# KiCad board H.A.V.O.C. PCB V 1.0.kicad_pcb (continued)
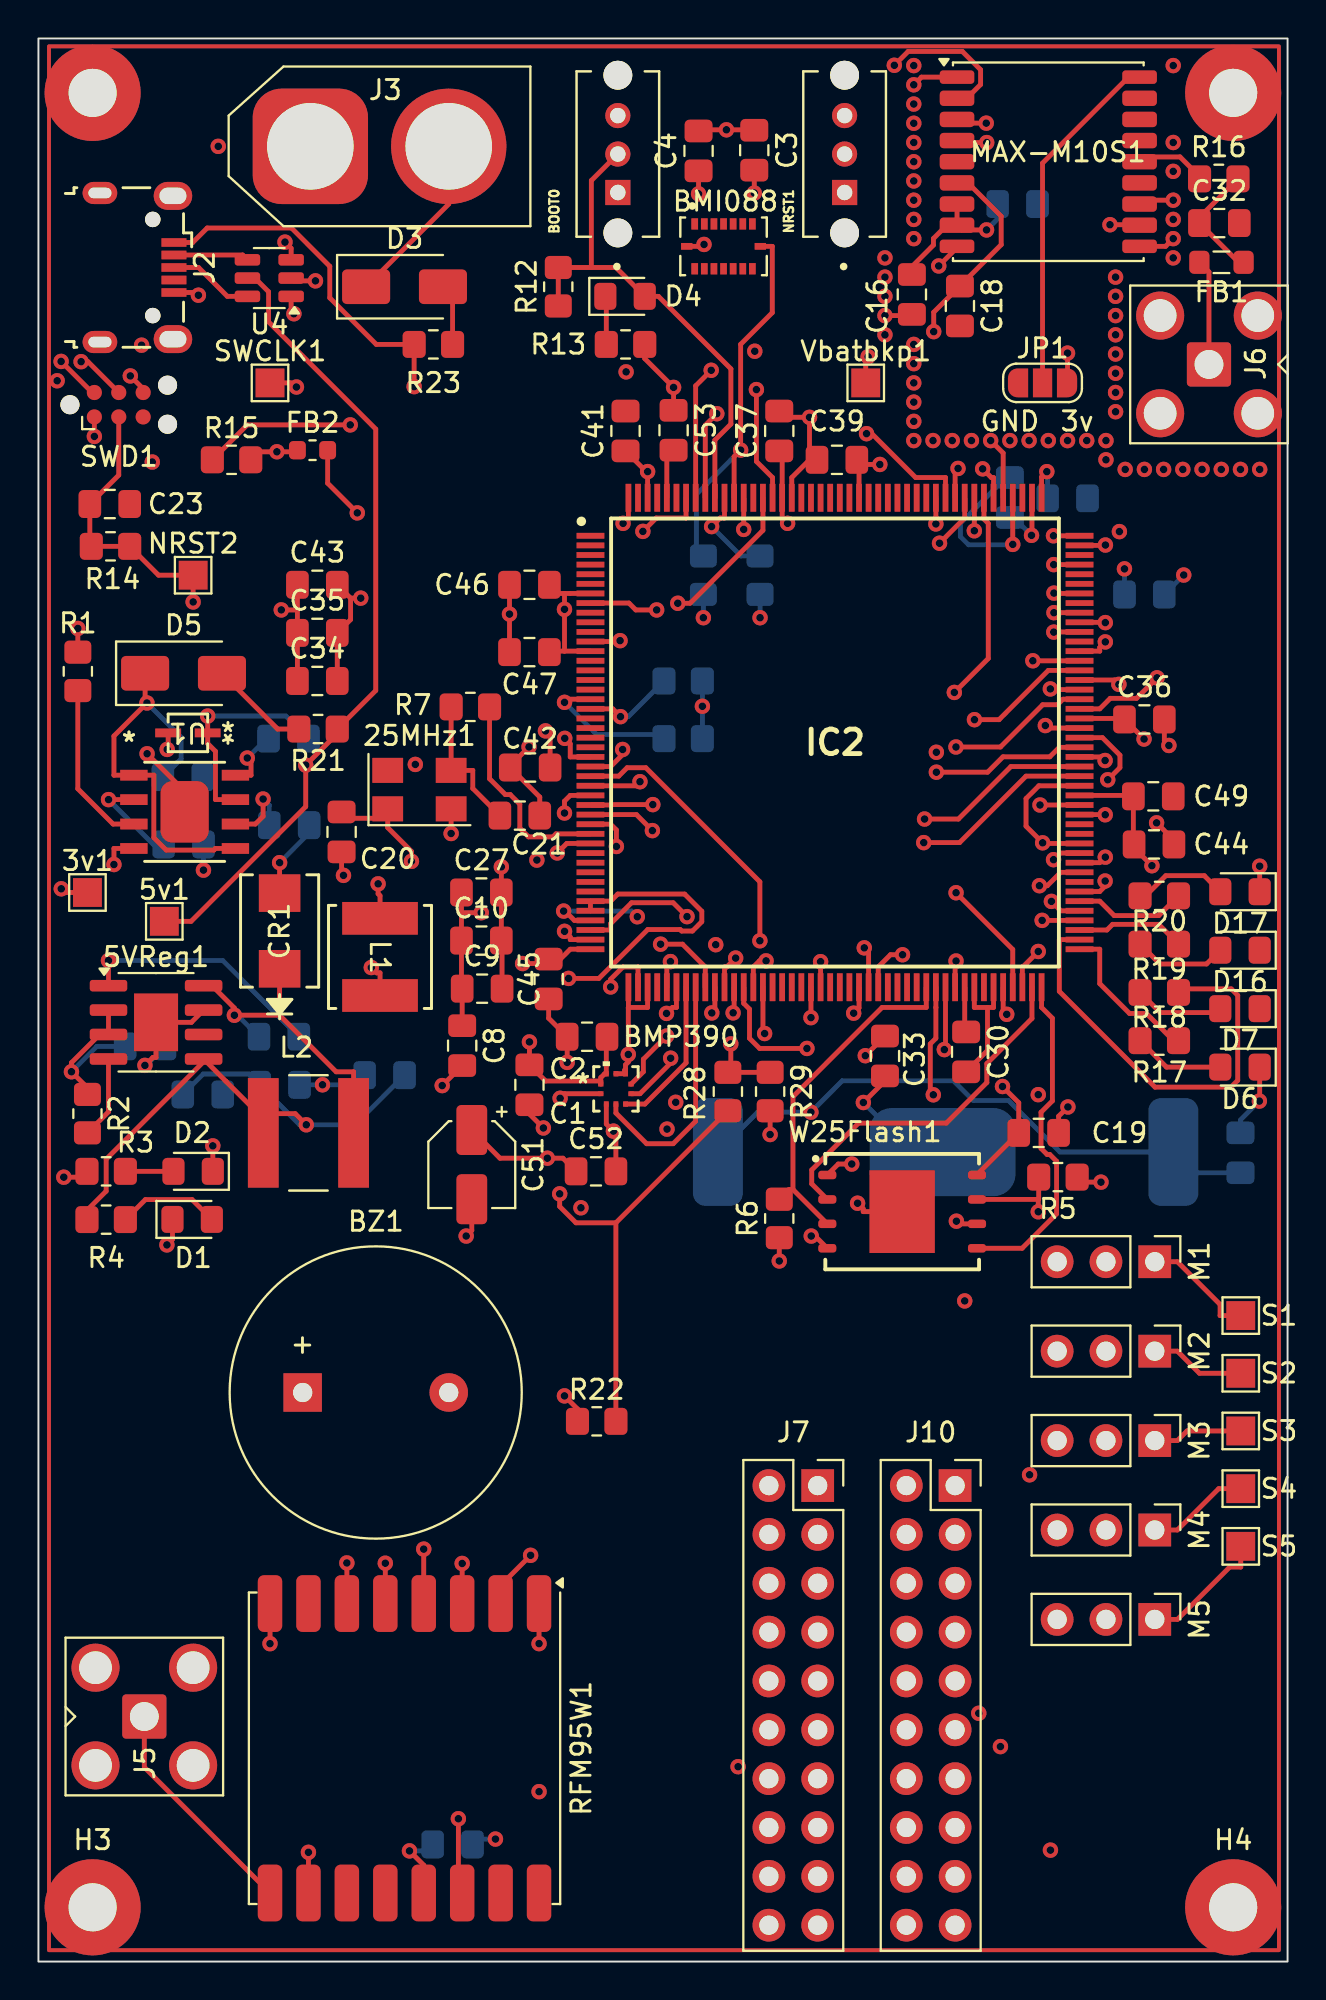
[diagram p0: board, top side]
## Footprints (pads in the part's own frame, mm; a bottom-side part is the same pattern mirrored in y, then rotated) (continued)
R_0805_2012Metric_Pad1.20x1.40mm_HandSolder
  rrect 1.2x1.4 smd: 1(-1,0) 2(1,0)
SMA_Amphenol_901-143_Horizontal
  rrect 2.3x2.3 hole 1.5: 1(0,0)
  round 2.5 hole 1.7: 2(-2.54,2.54) 2(-2.54,-2.54) 2(2.54,2.54) 2(2.54,-2.54)
SOD_16HT1G_ONS
  rect 1.346x0.457 smd: 1(-1.029,0) 2(1.029,0)
SOIC8_3P9X4P9_ONS
  rect 1.422x0.559 smd: 1(-2.642,1.905) 2(-2.642,0.635) 3(-2.642,-0.635) 4(-2.642,-1.905) 5(2.642,-1.905) 6(2.642,-0.635) 7(2.642,0.635) 8(2.642,1.905)
  rrect 2.51x3.2 smd: 4(0,0)
SOIC-8-1EP_3.9x4.9mm_P1.27mm_EP2.29x3mm
  rrect 0.92x1.21 smd: (-0.57,0.75) (-0.57,-0.75) (0.57,0.75) (0.57,-0.75)
  rrect 1.95x0.6 smd: 1(-2.475,1.905) 2(-2.475,0.635) 3(-2.475,-0.635) 4(-2.475,-1.905) 5(2.475,-1.905) 6(2.475,-0.635) 7(2.475,0.635) 8(2.475,1.905)
  rect 2.29x3 smd: 9(0,0)
SolderJumper-3_P1.3mm_Open_RoundedPad1.0x1.5mm_NumberLabels
  custom 1.05x1.5 smd: 1(-1.3,0) 3(1.3,0)
  rect 1x1.5 smd: 2(0,0)
SON127P800X600X80-9N
  rrect 0.94x0.44 smd: 1(-3.895,1.905) 2(-3.895,0.635) 3(-3.895,-0.635) 4(-3.895,-1.905) 5(3.895,-1.905) 6(3.895,-0.635) 7(3.895,0.635) 8(3.895,1.905)
  rect 3.4x4.3 smd: 9(0,0)
SOT-23-6
  rrect 1.325x0.6 smd: 1(-1.137,0.95) 2(-1.137,0) 3(-1.137,-0.95) 4(1.137,-0.95) 5(1.137,0) 6(1.137,0.95)
SW_OS102011MS2QN1
  round 1.5 hole 1.5 unplated: (-4.1,0) (4.1,0)
  rect 1.308x1.308 hole 0.8: 1(-2,0)
  round 1.308 hole 0.8: 2(0,0) 3(2,0)
Tag-Connect_TC2030-IDC-NL_2x03_P1.27mm_Vertical
  round 0.991 hole 0.991 unplated: (-2.54,0) (2.54,1.016) (2.54,-1.016)
  round 0.787 smd: 1(-1.27,-0.635) 2(-1.27,0.635) 3(0,-0.635) 4(0,0.635) 5(1.27,-0.635) 6(1.27,0.635)
TestPoint_Pad_1.5x1.5mm
  rect 1.5x1.5 smd: 1(0,0)
ublox_MAX
  rrect 1.8x0.7 smd: 1(-4.75,4.4) 9(-4.75,-4.4) 10(4.75,-4.4) 18(4.75,4.4)
  rrect 1.8x0.8 smd: 2(-4.75,3.3) 3(-4.75,2.2) 4(-4.75,1.1) 5(-4.75,0) 6(-4.75,-1.1) 7(-4.75,-2.2) 8(-4.75,-3.3) 11(4.75,-3.3) 12(4.75,-2.2) 13(4.75,-1.1) 14(4.75,0) 15(4.75,1.1) 16(4.75,2.2) 17(4.75,3.3)
USB_Micro-B_Wuerth_629105150521
  oval 0.8x0.8 hole 0.8 unplated: (-2.5,0.8) (2.5,0.8)
  rect 0.45x1.3 smd: 1(-1.3,1.9) 2(-0.65,1.9) 3(0,1.9) 4(0.65,1.9) 5(1.3,1.9)
  oval 1.15x1.8 hole 0.55x1.2: 6(-3.875,-1.95) 6(3.875,-1.95)
  oval 1.45x2 hole 0.85x1.4: 6(-3.725,1.85) 6(3.725,1.85)

## Nets
5V_OUT_USB: IC2.120 J2.1 R23.1
+3V3: 3v1.1 3v3Reg1.6 BMI088.3 BMI088.7 BMI088.10 BMI088.11 BMI088.14 BMI088.15 BMP390.1 BMP390.10 BOOT0.1 C1.2 C2.1 C3.1 C4.1 C8.1 C9.1 C10.1 C11.1 C16.1 C17.1 C19.1 C22.1 C27.1 C33.1 C34.1 C35.1 C36.1 C37.1 C38.1 C39.1 C40.1 C41.1 C42.1 C43.1 C44.1 C45.1 C46.1 C47.1 C49.1 FB2.1 IC2.7 IC2.13 IC2.25 IC2.44 IC2.65 IC2.71 IC2.84 IC2.92 IC2.99 IC2.105 IC2.113 IC2.126 IC2.136 IC2.152 IC2.160 IC2.174 IC2.176 J7.1 J7.11 JP1.3 L1.2 MAX-M10S1.7 MAX-M10S1.8 NRST1.1 R1.2 R3.1 R5.1 R6.1 R8.1 R9.1 R10.1 R11.1 R15.2 RFM95W1.13 SWD1.1 W25Flash1.8
+5V: 5v1.1 5VReg1.5 C14.1 C28.1 C31.1 J7.2 J7.12 L2.1 M1.2 M2.2 M3.2 M4.2 M5.2 R4.1 R21.1 U4.5
GND: 3v3Reg1.4 5VReg1.7 5VReg1.9 25MHz1.2 25MHz1.4 BMI088.4 BMI088.6 BMP390.3 BMP390.8 BMP390.9 BOOT0.3 BT1.2 BZ1.2 C1.1 C2.2 C3.2 C4.2 C5.2 C6.2 C8.2 C9.2 C10.2 C11.2 C12.2 C14.2 C15.2 C16.2 C17.2 C18.2 C19.2 C20.2 C21.2 C22.2 C23.2 C27.2 C28.2 C30.2 C31.2 C32.2 C33.2 C34.2 C35.2 C36.2 C37.2 C38.2 C39.2 C40.2 C41.2 C42.2 C43.2 C44.2 C45.2 C46.2 C47.2 C48.2 C49.2 C51.2 C52.2 C53.1 CR1.2 D1.1 D2.1 D6.1 D7.1 D16.1 D17.1 H1.1 H2.1 H3.1 H4.1 IC2.6 IC2.12 IC2.24 IC2.38 IC2.45 IC2.47 IC2.64 IC2.70 IC2.81 IC2.83 IC2.93 IC2.100 IC2.106 IC2.112 IC2.119 IC2.134 IC2.137 IC2.151 IC2.159 IC2.173 J2.5 J3.1 J5.2 J6.2 J7.5 J7.15 J10.5 JP1.1 M1.3 M2.3 M3.3 M4.3 M5.3 MAX-M10S1.1 MAX-M10S1.10 MAX-M10S1.12 NRST1.3 R13.2 R29.2 RFM95W1.1 RFM95W1.8 RFM95W1.10 SWD1.5 U4.2 W25Flash1.4 W25Flash1.9
VBAT: 3v3Reg1.1 3v3Reg1.5 C5.1 D3.1 D5.1 J3.2 R22.2 R28.2
VBat-backup: BT1.1 C15.1 C18.1 IC2.8 MAX-M10S1.6 Vbatbkp1.1
VDDA: C51.1 C52.1 FB2.2 IC2.39 IC2.40
/GPS_!SAFEBOOT: JP1.2 MAX-M10S1.18
/Power/BST: 3v3Reg1.7 C7.2 U1.1
/Power/DRV: 3v3Reg1.2 C6.1 U1.2
/Power/NCV_RESET: 3v3Reg1.3 R1.1
BOOT0: BOOT0.2 D4.2 IC2.167 R12.1 R12.2
BUZZER: BZ1.1 IC2.69
FLASH_!HOLD: IC2.77 R5.2 W25Flash1.7
FLASH_!WP: IC2.76 R6.2 W25Flash1.3
GP_GPIO6: IC2.49 J7.20
GP_GPIO7: IC2.54 J7.10
GP_GPIO8: IC2.55 J7.9
GP_GPIO9: IC2.56 J7.8
GP_GPIO10: IC2.57 J7.7
GP_GPIO18: IC2.97 J10.1
GP_GPIO19: IC2.98 J10.2
GP_GPIO20: IC2.104 J10.3
GP_GPIO21: IC2.107 J10.4
GP_GPIO22: IC2.108 J10.6
GP_GPIO23: IC2.109 J10.7
GP_GPIO24: IC2.110 J10.8
GP_GPIO25: IC2.111 J10.9
GP_GPIO26: IC2.114 J10.10
GP_GPIO27: IC2.115 J10.20
GP_GPIO28: IC2.116 J10.19
GP_GPIO29: IC2.117 J10.18
GP_GPIO30: IC2.118 J10.17
GP_GPIO31: IC2.123 J10.16
GP_GPIO32: IC2.124 J10.15
GP_GPIO33: IC2.129 J10.14
GP_GPIO34: IC2.161 J10.13
GP_GPIO35: IC2.168 J10.12
GP_GPIO36: IC2.170 MAX-M10S1.9 R15.1
GPS_TIMEPULSE: IC2.169 MAX-M10S1.4
HSE_IN: 25MHz1.1 C20.1 IC2.31
HSE_OUT: IC2.32 R7.1
I2C1_SCL: BMI088.8 IC2.165 R9.2
I2C1_SDA: BMI088.9 IC2.166 R8.2
I2C2_CS: IC2.59 J7.13
I2C2_SCL: IC2.19 J7.3 R10.2
I2C2_SDA: IC2.18 J7.4 R11.2
INT_ACC: BMI088.16 IC2.164
INT_GYR: BMI088.12 IC2.163
LED1: IC2.89 R17.1
LED2: IC2.90 R18.1
LED3: IC2.91 R19.1
LED4: IC2.94 R20.1
NRST: C23.1 IC2.33 NRST1.2 NRST2.1 R14.1 R14.2 SWD1.3
SERVO1: IC2.43 M1.1 S1.1
SERVO2: IC2.122 M2.1 S2.1
SERVO3: IC2.95 M3.1 S3.1
SERVO4: IC2.103 M4.1 S4.1
SERVO5: IC2.26 M5.1 S5.1
SPI1_CS: BMP390.6 IC2.53
SPI1_INT: BMP390.7 IC2.46
SPI1_MISO: BMP390.5 IC2.51
SPI1_MOSI: BMP390.4 IC2.52
SPI1_SCK: BMP390.2 IC2.50
SPI2_!CS: IC2.79 W25Flash1.1
SPI2_MISO: IC2.87 W25Flash1.2
SPI2_MOSI: IC2.88 W25Flash1.5
SPI2_SCK: IC2.78 W25Flash1.6
SPI3_CS: IC2.139 RFM95W1.5
SPI3_INT: IC2.143 RFM95W1.14
SPI3_MISO: IC2.141 RFM95W1.2
SPI3_MOSI: IC2.142 RFM95W1.3
SPI3_RST: IC2.144 RFM95W1.6
SPI3_SCK: IC2.140 RFM95W1.4
SPI5_CS: IC2.30 J7.16
SPI5_MISO: IC2.28 J7.17
SPI5_MOSI: IC2.29 J7.19
SPI5_SCK: IC2.27 J7.18
SWCLK: IC2.138 SWCLK1.1 SWD1.4
SWDIO: IC2.132 SWD1.2
SWO: IC2.162 SWD1.6
UART4_RX: IC2.42 J7.6
UART4_TX: IC2.41 J7.14
UART5_RX: IC2.85 MAX-M10S1.2
UART5_TX: IC2.86 MAX-M10S1.3
USB_D+: IC2.131 U4.1
USB_D-: IC2.130 U4.3
USB_D_Connector+: J2.3 U4.6
USB_D_Connector-: J2.2 U4.4
V_DETECT: IC2.58 R28.1 R29.1
Net-(3v3Reg1-SW): 3v3Reg1.8 C7.1 L1.1
Net-(5VReg1-BST): 5VReg1.1 C13.1
Net-(5VReg1-EN): 5VReg1.2 5VReg1.3 C12.1 R2.1 R22.1
Net-(5VReg1-PGOOD): 5VReg1.4 R2.2
Net-(5VReg1-SW): 5VReg1.8 C13.2 CR1.1 L2.2
Net-(25MHz1-Pad3): 25MHz1.3 C21.1 R7.2
Net-(C32-Pad1): C32.1 FB1.1 R16.2
Net-(D1-A): D1.2 R3.2
Net-(D2-A): D2.2 R4.2
Net-(D3-A): D3.2 R23.2
Net-(D4-K): D4.1 R13.1
Net-(D5-A): D5.2 R21.2
Net-(D6-A): D6.2 R17.2
Net-(D7-A): D7.2 R18.2
Net-(D16-A): D16.2 R19.2
Net-(D17-A): D17.2 R20.2
Net-(IC2-VCAP_1): C30.1 IC2.80
Net-(IC2-VCAP_2): C48.1 IC2.133
Net-(IC2-VCAP_3): C53.2 IC2.172
Net-(J5-In): J5.1 RFM95W1.9
Net-(J6-In): FB1.2 J6.1 MAX-M10S1.11
Net-(MAX-M10S1-VCC_RF): MAX-M10S1.14 R16.1

Pads without a net: 5VReg1 6; BMI088 1 2 5 13; IC2 1 2 3 4 5 9 10 11 14 15 16 17 20 21 22 23 34 35 36 37 48 60 61 62 63 66 67 68 72 73 74 75 82 96 101 102 121 125 127 128 135 145 146 147 148 149 150 153 154 155 156 157 158 171 175; J2 4 6; J10 11; MAX-M10S1 5 13 15 16 17; RFM95W1 7 11 12 15 16

## Via types
v1: diameter 0.8, hole 0.4, Top to Bottom, 281 vias

## Routing (per net, layer and track width the routed paths; a pad name or vN(x,y) marks a point on that pad's centre or on a via; arc(x,y) is an arc through that point)
5V_OUT_USB: length 63.6
  Top w0.25: IC2.120 55.23,68.14 55.23,68.33 v1(55.52,68.62) ; v1(19.55,81.9) R23.1 17.58,84.09 15.16,86.51 15.16,88.15 13.17,90.14 8.78,90.14 8.03,89.39 J2.1
  3v3 w0.25: v1(19.55,81.9) 27.84,73.61 32.34,73.61 34.07,75.34 35.33,75.34 35.76,74.92 35.76,74.37 37.63,72.5 48.35,72.5 52.51,68.34 55.23,68.34 v1(55.52,68.62)
+3V3: length 125
  Top w0.25: W25Flash1.8 48.84,40.92 C19.1 51.01,44.66 v1(50.17,45.5) ; 3v1.1 1.47,55.59 1.28,55.78 v1(1.19,55.78) ; IC2.44 27.67,52.64 27.16,52.13 C45.1 26.32,51.9 v1(25.19,51.9) ; C27.1 22.01,54.54 ; 22.01,54.54 v1(23.04,54.54) ; 22.01,54.54 C10.1 22.01,50.63 C9.1 22.05,48.67 ; IC2.71 43.7,51.72 44.34,52.35 v1(44.96,52.35) ; C3.1 v1(37.25,91.96) ; v1(50.39,49.26) 50.2,49.44 IC2.84 ; 42.7,77.85 42.7,77.98 C39.1 ; 42.7,77.85 v1(43.78,77.85) ; 42.7,77.85 IC2.152 ; SWD1.1 v1(2.91,79.31) ; C42.1 26.62,63.75 v1(26.38,63.99) ; RFM95W1.13 20.05,5.01 v1(19.31,5.75) ; 27.37,71.14 IC2.7 ; 27.37,71.14 27.04,71.14 C46.1 ; 27.37,71.14 v1(27.37,70.32) 27.37,68.14 ; FB2.1 13.39,78.51 v1(12.41,78.51) 11.47,78.51 R15.2 ; v1(11.69,60.45) 11.69,59.55 11.29,59.15 3v3Reg1.6 ; IC2.113 56.46,64.64 C36.1 v1(57.53,63.57) ; v1(25.55,47.82) C1.2 26.39,45.79 29.26,45.79 ; v1(57.94,56.98) 57.01,57.91 C44.1 56.98,58.13 C49.1 56.92,60.64 IC2.105 ; 27.37,68.14 IC2.13 ; 27.37,68.14 26.64,68.14 C47.1 ; BMP390.1 29.26,45.79 ; 29.26,45.79 29.26,45.96 29.46,46.16 BMP390.10 29.55,48.05 C2.1 ; C16.1 45.45,88.14 46.57,89.26 46.57,89.59 47.27,90.29 MAX-M10S1.8 ; R5.1 54.31,40.53 v1(55.29,40.53) ; v1(2.05,69.32) R1.2 ; IC2.25 29.78,62.14 30.4,62.76 v1(30.4,63.03) ; IC2.126 53.12,71.14 53.1,71.16 v1(52.84,71.16) ; v1(38.98,74.79) 38.71,75.06 38.7,75.06 IC2.160 38.7,78.4 C37.1 ; v1(30.42,74.79) 30.7,75.06 IC2.176 ; MAX-M10S1.7 MAX-M10S1.8 ; MAX-M10S1.8 48.05,90.04 v1(49.34,90.04) ; v1(52.23,54.14) IC2.92 ; R6.1 v1(38.55,36.43) ; v1(40.7,51.99) IC2.65 ; IC2.99 53.12,57.64 53.12,57.6 v1(52.82,57.3) ; v1(53.55,83.64) JP1.3 ; v1(1.32,40.79) 2.22,40.79 R3.1 ; v1(50.7,73.69) IC2.136 ; 13.48,70.28 C35.1 C34.1 ; 13.48,70.28 C43.1 ; 13.48,70.28 v1(12.64,70.28) ; IC2.174 v1(31.7,77.48) 31.63,77.48 C41.1 ; L1.2 17.77,51.41 17.6,51.41 v1(17.32,51.69) ; C4.1 v1(34.35,91.92) ; C33.1 v1(43.03,47.1)
  Bottom w0.25: R11.1 v1(34.55,65.27) R10.1 ; C11.1 12.01,60.13 v1(11.69,60.45) ; R8.1 v1(37.55,69.88) ; v1(50.7,73.69) 50.68,73.67 48.4,73.67 47.97,74.1 47.97,74.79 50.35,77.17 50.55,77.17 ; v1(19.31,5.75) 20.18,5.75 C22.1 ; v1(49.34,90.04) 49.91,90.62 C17.1 ; R9.1 v1(34.6,69.88) ; C40.1 v1(56.51,72.42)
+5V: length 188.5
  Top w0.25: R4.1 2.52,39.06 3.52,40.06 3.52,41.72 8.67,46.86 ; 11.7,44.09 11.44,44.09 9.76,45.77 8.67,46.86 ; 11.7,44.09 13.36,44.09 v1(13.94,43.51) ; 11.7,44.09 L2.1 ; 8.67,46.86 5VReg1.5 ; 10.87,87.54 11.26,87.54 11.98,86.83 11.98,85.26 17.55,79.69 17.55,66.09 R21.1 15.55,63.86 v1(13.91,62.21) 13.91,60.06 7.94,54.09 5v1.1
  3v3 w0.25: M1.2 54.37,36.39 54.37,36.02 53.56,35.21 ; 53.56,35.21 55.55,33.23 M2.2 ; 53.56,35.21 50.43,35.21 48.53,37.11 43.92,37.11 40.06,40.97 16.48,40.97 v1(13.94,43.51)
  In3.Cu w0.25: v1(13.91,62.21) 13.91,43.54 v1(13.94,43.51)
  In5.Cu w0.25: 53.56,23.62 55.55,25.6 M3.2 M2.2 ; 53.56,23.62 51.2,23.62 51.13,23.55 39.58,23.55 ; 53.56,23.62 54.37,22.81 54.37,22.44 M4.2 M5.2 ; J7.2 39.19,24.75 39.19,23.94 39.58,23.55 ; 39.58,23.55 39.19,23.15 39.19,14.04 38.38,13.23 38.01,13.23 J7.12
  Bottom w0.25: C28.1 16.47,43.51 v1(13.94,43.51) 13.59,43.51 C31.1 10.95,46.15 8.58,46.15 C14.1
GND: length 159.9
  Top w0.25: v1(38.08,43.01) R29.2 ; U4.2 13.29,87.4 v1(14.42,87.4) ; v1(9.08,42.42) D1.1 ; IC2.45 30.7,49.61 ; 30.7,49.61 30.69,49.61 v1(30.69,47.17) 30.69,46.78 30.55,46.63 30.55,46.4 ; 30.7,49.61 31.7,49.61 IC2.47 ; W25Flash1.4 40.41,37.73 v1(40.21,37.73) ; MAX-M10S1.10 58.65,89.19 v1(59.05,89.59) ; v1(21.48,58.66) 25MHz1.2 ; v1(30.27,68.69) 30.22,68.64 IC2.12 ; 6.98,38.59 6.98,37.55 v1(6.69,37.27) ; 49.39,49.61 49.7,49.61 IC2.83 ; 49.39,49.61 49.39,47.38 C30.2 ; 49.39,49.61 48.7,49.61 IC2.81 ; v1(58.83,63.24) 58.59,63.47 C36.2 ; IC2.159 39.2,77.17 40.12,78.09 ; IC2.93 53.12,54.64 53.12,54.72 v1(52.71,55.13) ; C16.2 45.39,85.59 v1(44.05,85.59) ; v1(8.32,86.65) 8.17,86.65 8.03,86.79 J2.5 ; IC2.24 27.67,62.64 27.67,63.32 v1(27.39,63.61) ; C39.2 40.12,78.09 ; 40.12,78.09 40.12,80.3 ; C21.2 26.09,60.55 C42.2 24.55,62.18 v1(25.53,63.16) ; v1(40.2,49.08) IC2.64 ; IC2.106 52.06,61.14 51.39,60.47 51.39,59.04 v1(52.26,58.17) 52.29,58.14 IC2.100 ; C47.2 24.51,70.07 v1(24.51,70.07) C46.2 ; C19.2 53.09,43.96 v1(53.57,44.44) ; v1(26.28,43.34) 25.55,44.07 C1.1 ; v1(12.55,57.14) CR1.2 ; BMP390.3 29.55,43.55 v1(29.92,43.18) 30.05,43.05 C52.2 ; C44.2 59.09,58.31 v1(58.18,59.21) ; W25Flash1.9 42.92,39 42.92,39.14 v1(42.62,39.43) ; IC2.70 43.2,52.48 v1(42.97,52.71) ; R13.2 31.55,83.36 v1(33.05,81.86) 33.05,80.67 ; v1(3.93,57.05) 3.93,57.05 3.93,57.88 3v3Reg1.4 ; C34.2 C35.2 16.24,69.78 16.24,70.9 ; C4.2 34.41,95.25 v1(35.8,95.25) 37.23,95.25 C3.2 ; v1(12.05,16.53) RFM95W1.8 ; v1(51.74,67.64) IC2.119 ; 16.24,70.9 C43.2 ; 16.24,70.9 v1(16.77,70.9) ; v1(5.54,46.6) 5.95,47.01 6.12,47.01 5VReg1.9 7.96,48.84 5VReg1.7 ; IC2.112 52.53,64.14 v1(52.4,64.27) ; IC2.134 51.7,74.19 v1(51.68,74.16) ; v1(26.05,16.53) RFM95W1.1 ; 30.55,46.4 30.5,46.35 30.5,46.16 BMP390.9 ; 30.55,46.4 BMP390.8 ; C20.2 15.77,56.58 v1(15.87,56.48) ; IC2.137 50.2,78.44 v1(49.55,79.09) ; D6.1 63.55,44.76 v1(63.53,44.74) ; v1(45.55,97.59) 45.95,97.99 MAX-M10S1.1 ; v1(27.51,46.76) 27.51,46.76 C2.2 26.55,49.05 C45.2 ; v1(5.65,62.8) 7.61,60.85 3v3Reg1.4 ; C9.2 24.12,53.05 C10.2 C27.2 v1(24.09,56.92) ; C33.2 44.05,45.79 v1(42.93,44.67) ; v1(63.55,56.96) D17.1 ; v1(14.05,5.68) RFM95W1.10 ; C37.2 38.88,80.3 40.12,80.3 ; 40.12,80.3 v1(40.12,80.3) ; v1(21.01,45.55) C8.2 ; C51.2 22.55,38.02 v1(22.26,37.73) ; v1(59.05,91.59) 57.5,91.59 MAX-M10S1.12
  Bottom w0.25: v1(51.68,74.16) 50.75,75.09 C38.2 ; v1(12.55,57.14) 14.09,58.68 C11.2 ; C22.2 22.87,6.37 v1(23.78,6.37) ; C5.2 8.55,58.13 C6.2 v1(8.59,56.75) ; C12.2 5.6,46.6 v1(5.54,46.6) ; C31.2 v1(14.78,45.59) 16.48,45.59 C28.2 ; C15.2 62.55,43.76 v1(63.53,44.74) ; v1(59.6,72.1) 59.6,72.1 C40.2 ; v1(42.93,44.67) 45.51,42.09 BT1.2
  vias: v1(0.97,82.2) v1(5.37,84.05) v1(5.92,77.98) v1(9.36,94.39) v1(19.61,62.25) v1(25.94,57.28) v1(26.05,8.83) v1(32.71,43.29) v1(44.05,88.59) v1(44.05,87.59) v1(44.05,86.59) v1(44.05,84.59) v1(45.55,98.59) v1(45.55,96.59) v1(45.55,95.59) v1(45.55,94.59) v1(45.55,93.59) v1(45.55,92.59) v1(45.55,91.59) v1(45.55,90.59) v1(45.55,89.59) v1(45.55,84.09) v1(45.55,83.09) v1(45.55,82.09) v1(45.55,81.09) v1(45.55,80.09) v1(45.55,79.09) v1(46.55,79.09) v1(47.55,79.09) v1(48.55,79.09) v1(50.55,79.09) v1(51.55,79.09) v1(52.03,45.08) v1(52.55,79.09) v1(52.66,5.79) v1(53.55,79.09) v1(54.55,79.09) v1(55.55,79.09) v1(55.55,78.09) v1(56.05,87.59) v1(56.05,86.59) v1(56.05,85.59) v1(56.05,84.59) v1(56.05,83.59) v1(56.05,82.59) v1(56.05,81.59) v1(56.05,80.59) v1(56.55,77.59) v1(57.55,77.59) v1(58.55,77.59) v1(59.05,98.59) v1(59.05,94.59) v1(59.05,93.09) v1(59.05,90.59) v1(59.05,88.59) v1(59.55,77.59) v1(60.55,77.59) v1(61.55,77.59) v1(62.55,77.59) v1(63.55,77.59)
VBAT: length 122.4
  Top w0.25: J3.2 21.35,91.39 D3.1 ; v1(27.12,39.92) 27.12,39.26 27.97,38.41 30.05,38.41 ; 3v3Reg1.5 9.21,57.88 9.12,57.79 6.65,57.79 6,58.44 6,61.69 3v3Reg1.1 3.93,61.69 3.93,63.73 v1(5.65,65.45) 5.55,65.54 D5.1 ; 30.05,38.41 R28.2 ; 30.05,38.41 R22.2
  In3.Cu w0.25: J3.2 21.35,81.15 v1(5.65,65.45)
  In6.Cu w0.25: v1(5.65,65.45) 25.55,45.54 25.55,41.5 v1(27.12,39.92)
  Bottom w0.25: v1(5.65,65.45) 7.43,63.67 7.43,62.54 C5.1
VBat-backup: length 98.4
  Top w0.25: MAX-M10S1.6 48.37,92.49 50.1,90.76 50.1,89.28 C18.1 46.59,85.76 v1(46.59,84.76) ; v1(43.17,83.45) 43.05,83.33 Vbatbkp1.1 ; v1(32.17,70.28) 31.08,70.28 30.73,70.64 IC2.8
  3v3 w0.25: v1(43.17,83.45) 43.96,83.45 44.78,84.27 44.78,84.41 45.2,84.83 46.52,84.83 v1(46.59,84.76)
  In3.Cu w0.25: v1(32.17,70.28) 32.17,70.63 35.2,73.66 36.92,73.66 37.68,74.42 37.68,74.68 41.28,78.27 41.28,81.55 v1(43.17,83.45)
  In6.Cu w0.25: v1(40.2,44.17) 39.26,45.1 39.26,63.19 v1(32.17,70.28)
  Bottom w0.25: 62.55,41.02 60.14,41.02 BT1.1 53.16,42.1 50.48,44.77 48.64,44.77 47.62,45.8 41.83,45.8 v1(40.2,44.17) 37.43,44.17 BT1.1
VDDA: length 64.9
  Top w0.25: FB2.2 15.05,76.87 v1(16.59,75.33) ; IC2.40 IC2.39 29.78,55.14 30.15,55.51 33.62,55.51 34.52,54.61 34.52,54.07 34.03,53.59 33.47,53.59 33.39,53.66 31.71,53.66 29.16,51.12 v1(27.59,51.12) ; C52.1 27.29,41.77 v1(26.48,41.77) 24.02,41.77 C51.1
  In3.Cu w0.25: v1(16.59,75.33) 23.04,68.88 23.04,55.67 v1(27.59,51.12) 28.24,50.47 28.24,44.49 27.33,43.57 27.33,42.62 v1(26.48,41.77)
/GPS_!SAFEBOOT: length 18.3
  Top w0.25: JP1.2 52.25,93.52 56.72,97.99 MAX-M10S1.18
/Power/BST: length 11.3
  Top w0.25: v1(8.81,64.77) 8.81,64.77 U1.1 8.81,63.33 9.21,62.93 9.21,60.42 3v3Reg1.7
  Bottom w0.25: v1(8.81,64.77) 12.87,64.77 C7.2
/Power/DRV: length 10.3
  Top w0.25: v1(3.65,60.42) 3v3Reg1.2 ; U1.2 6.75,63.08 v1(6.7,63.03)
  In6.Cu w0.25: v1(3.65,60.42) 4.3,60.42 6.7,62.82 v1(6.7,63.03)
  Bottom w0.25: C6.1 5.98,58.09 v1(3.65,60.42)
/Power/NCV_RESET: length 8.8
  Top w0.25: R1.1 2.05,60.98 3.88,59.15 3v3Reg1.3
BOOT0: length 26.7
  Top w0.25: 28.77,88.09 R12.2 R12.1 ; 28.77,88.09 30.05,88.09 D4.2 32.26,86.59 36.03,82.82 36.03,79.95 35.2,79.12 IC2.167 ; 28.77,88.09 28.77,92.61 BOOT0.2
BUZZER: length 54.6
  Top w0.25: IC2.69 42.7,49.59 v1(42.42,49.31)
  In5.Cu w0.25: BZ1.1 13.75,22 15.8,19.94 16.32,19.94 17.01,20.63 17.01,27.13 22.08,32.21 23.69,32.21 39.76,48.28 41.39,48.28 v1(42.42,49.31)
FLASH_!HOLD: length 19.1
  Top w0.25: IC2.77 46.7,49.61 46.7,49.61 46.7,48.01 46.41,47.72 46.41,45.23 v1(46.57,45.07) ; 52.03,39.63 W25Flash1.7 ; 52.03,39.63 52.05,39.65 R5.2 ; 52.03,39.63 v1(52.03,38.99)
  3v3 w0.25: v1(52.03,38.99) 46.57,44.45 v1(46.57,45.07)
FLASH_!WP: length 18.2
  Top w0.25: W25Flash1.3 41.05,38.36 39.26,40.15 ; 39.26,40.15 39.06,40.15 R6.2 ; 39.26,40.15 39.26,44.98 43.9,49.61 46.2,49.61 IC2.76
GP_GPIO6: length 54.2
  Top w0.25: v1(32.89,52) 32.7,51.81 IC2.49
  In3.Cu w0.25: J7.20 38.01,3.07 37.64,3.07 33.49,7.22 33.49,44.36 v1(33.16,44.68)
  In6.Cu w0.25: v1(33.16,44.68) 33.64,45.16 33.64,47.48 33.41,47.71 33.41,51.48 v1(32.89,52)
GP_GPIO7: length 37.6
  Top w0.25: v1(35.04,49.33) 35.2,49.49 IC2.54
  In3.Cu w0.25: J7.10 38.01,15.77 37.64,15.77 35.04,18.37 v1(35.04,49.33)
GP_GPIO8: length 43
  Top w0.25: IC2.55 35.7,51.72 35.82,51.72 v1(36.28,52.18)
  In3.Cu w0.25: v1(36.28,52.18) 36.28,51.95 40.02,48.21 40.29,48.21 41.59,46.9 41.59,38.01 42.23,37.38 42.23,17.07 40.93,15.77 40.55,15.77 J7.9
GP_GPIO9: length 34.5
  Top w0.25: v1(36.15,49.33) 36.2,49.38 IC2.56
  In3.Cu w0.25: J7.8 38.01,18.31 37.64,18.31 36.83,19.12 36.83,48.65 v1(36.15,49.33)
GP_GPIO10: length 45.2
  Top w0.25: v1(39.99,47.48) 37.53,47.48 37,48.01 37,49.53 36.7,49.83 IC2.57
  In3.Cu w0.25: J7.7 40.55,18.31 40.92,18.31 41.73,19.12 41.73,27.86 40.94,28.65 40.94,46.53 v1(39.99,47.48) 39.91,47.48 35.24,52.15 v1(35.24,52.88)
GP_GPIO18: length 37.6
  Top w0.25: IC2.97 53.2,56.64 52.5,55.94 v1(52.09,55.94)
  3v3 w0.25: J10.1 48.88,24.75 49.44,25.31 v1(51.58,25.31)
  In6.Cu w0.25: v1(52.09,55.94) 51.29,55.15 51.29,25.59 v1(51.58,25.31)
GP_GPIO19: length 39
  Top w0.25: v1(55.52,57.43) 55.23,57.14 IC2.98
  In5.Cu w0.25: J10.2 45.16,42.36 56.23,53.43 56.23,56.71 v1(55.52,57.43)
GP_GPIO20: length 42.3
  Top w0.25: v1(52.12,60.14) IC2.104
  In3.Cu w0.25: J10.3 47.7,23.39 48.51,23.39 48.94,23.82 48.94,45.35 51.28,47.7 51.28,59.3 v1(52.12,60.14)
GP_GPIO21: length 47.1
  Top w0.25: IC2.107 51.39,61.64 47.93,58.18 v1(46.07,58.18)
  In6.Cu w0.25: J10.4 45.16,23.39 44.79,23.39 43.98,24.2 43.98,29.44 44.85,30.3 44.85,50.67 46.07,51.89 v1(46.07,58.18)
GP_GPIO22: length 50.9
  Top w0.25: IC2.108 50.6,62.14 47.87,59.41 v1(46.11,59.41)
  In6.Cu w0.25: v1(46.11,59.41) 44.24,57.54 44.24,34.94 43.53,34.23 43.53,22.15 44.84,20.85 45.16,20.85 J10.6
GP_GPIO23: length 50.2
  Top w0.25: IC2.109 55.32,62.64 v1(55.51,62.45)
  In3.Cu w0.25: v1(55.51,62.45) 54.03,60.97 54.03,49.37 51.28,46.63 51.28,45.06 49.4,43.18 49.4,19.64 48.07,18.31 47.7,18.31 J10.7
GP_GPIO24: length 55.3
  Top w0.25: IC2.110 53.12,63.14 52.63,62.65 50.19,62.65 49.39,61.85 v1(46.73,61.85)
  In6.Cu w0.25: v1(46.73,61.85) 43.77,58.89 43.77,35.37 43.03,34.63 43.03,20.07 44.79,18.31 45.16,18.31 J10.8
GP_GPIO25: length 54.4
  Top w0.25: IC2.111 55.37,63.64 56.28,62.73 56.28,62.09 v1(55.64,61.45)
  In3.Cu w0.25: J10.9 47.7,15.77 48.07,15.77 49.86,17.55 49.86,41.88 54.64,46.67 54.64,60.45 v1(55.64,61.45)
GP_GPIO26: length 68.7
  Top w0.25: v1(58.21,66.75) 57.14,65.69 55.77,65.69 55.23,65.14 IC2.114
  3v3 w0.25: v1(46.72,62.88) 47.2,62.41 53.86,62.41 v1(58.21,66.75)
  In6.Cu w0.25: J10.10 45.16,15.77 45.53,15.77 46.34,16.58 46.34,27.35 45.38,28.31 45.38,48.45 46.53,49.6 46.53,57.53 47.45,58.46 47.45,62.15 v1(46.72,62.88)
GP_GPIO27: length 73.2
  Top w0.25: v1(47.74,63.16) 50.06,63.16 52.26,65.35 53.03,65.35 53.31,65.64 IC2.115
  In6.Cu w0.25: v1(47.74,63.16) 47.91,62.99 47.91,56.76 47.02,55.88 47.02,48.73 45.83,47.55 45.83,30.16 48.88,27.11 48.88,14.09 48.11,13.32 47.22,13.32 46.34,12.44 46.34,3.88 45.53,3.07 45.16,3.07 J10.20
GP_GPIO28: length 69.1
  Top w0.25: v1(52.65,66.18) 52.69,66.14 IC2.116
  In3.Cu w0.25: J10.19 47.7,3.07 47.33,3.07 46.51,3.89 46.51,43.81 48.49,45.79 48.49,48.56 50.83,50.9 50.83,64.35 v1(52.65,66.18)
GP_GPIO29: length 72.5
  Top w0.25: IC2.117 56,66.64 v1(56.22,66.41)
  In5.Cu w0.25: v1(56.22,66.41) 56.22,63.14 59.27,60.1 59.27,16.75 48.12,5.61 47.15,5.61 46.34,4.8 46.34,4.43 J10.18
GP_GPIO30: length 68.9
  Top w0.25: v1(48.71,64.58) 49.99,64.58 52.55,67.14 IC2.118
  In3.Cu w0.25: J10.17 47.7,5.61 48.07,5.61 48.93,6.47 v1(48.93,12.91)
  In6.Cu w0.25: v1(48.93,12.91) 49.33,13.31 49.33,31.29 47.47,33.15 47.47,37.05 48.71,38.29 v1(48.71,64.58)
GP_GPIO31: length 70.9
  Top w0.25: IC2.123 55.23,69.64 55.24,69.62 v1(55.52,69.62)
  In3.Cu w0.25: v1(55.52,69.62) 55.38,69.62 54.78,69.02 54.78,65.08 56.42,63.44 56.42,42.68 54.56,40.83 54.56,40.5 50.75,36.69 50.75,11.87 v1(50.06,11.18)
  In5.Cu w0.25: v1(50.06,11.18) 50.06,10.18 48.02,8.15 47.15,8.15 46.34,7.34 46.34,6.97 J10.16
GP_GPIO32: length 68.1
  Top w0.25: v1(52.84,70.14) IC2.124
  In6.Cu w0.25: J10.15 47.7,8.15 48.07,8.15 54.36,14.44 54.36,68.69 52.91,70.14 v1(52.84,70.14)
GP_GPIO33: length 68.8
  Top w0.25: v1(52.83,72.64) IC2.129
  In3.Cu w0.25: J10.14 45.16,10.69 44.79,10.69 43.98,11.5 43.98,47.23 50.3,53.55 50.3,70.1 v1(52.83,72.64)
GP_GPIO34: length 101.8
  Top w0.25: IC2.161 38.2,77.17 37.36,78.01 v1(37.36,81.74)
  3v3 w0.25: v1(28.23,39.19) 32.11,35.31 48.3,35.31 48.97,34.64 48.97,30.37 46.52,27.92 46.52,11.5 47.33,10.69 47.7,10.69 J10.13
  In3.Cu w0.25: v1(37.36,81.74) 37.36,78.38 28.74,69.76 28.74,44.32 28.23,43.81 v1(28.23,39.19)
GP_GPIO35: length 77.4
  Top w0.25: IC2.168 34.7,79.89 v1(35.3,80.49)
  In6.Cu w0.25: v1(35.3,80.49) 35.3,78.76 37.99,76.08 37.99,74.06 41.46,70.59 41.46,39.57 42.23,38.8 42.23,15.79 44.79,13.23 45.16,13.23 J10.12
GP_GPIO36: length 56.6
  Top w0.25: v1(31.45,74.37) 32.15,75.06 33.7,75.06 IC2.170 ; R15.1 10.87,79.91 v1(16.23,79.91) ; v1(46.85,88.17) 47.8,89.12 MAX-M10S1.9
  3v3 w0.25: v1(16.23,79.91) 18.98,82.66 v1(30.58,82.66)
  In3.Cu w0.25: v1(31.45,74.37) 31.45,76.47 30.58,77.34 v1(30.58,82.66)
  In5.Cu w0.25: v1(46.85,88.17) 45.84,88.17 44.67,89.34 43.28,89.34 39.98,86.05 33.96,86.05 v1(30.58,82.66)
GPS_TIMEPULSE: length 29.5
  Top w0.25: MAX-M10S1.4 47.9,94.59 v1(49.35,94.59) ; v1(35.01,82.75) 34.2,81.94 IC2.169
  In6.Cu w0.25: v1(35.01,82.75) 36.85,84.59 38.68,84.59 43.43,89.34 44.67,89.34 45.18,88.83 45.82,88.83 49.35,92.36 v1(49.35,94.59)
HSE_IN: length 19.4
  Top w0.25: C20.1 16.1,59.45 18.17,59.45 ; 18.17,59.45 25MHz1.1 ; 18.17,59.45 18.17,58.96 19.41,57.73 v1(19.41,57.21) ; IC2.31 29.78,59.14 30.08,58.84 v1(30.08,57.98)
  In5.Cu w0.25: v1(30.08,57.98) 29.68,58.38 24.35,58.38 23.19,57.21 v1(19.41,57.21)
HSE_OUT: length 11
  Top w0.25: R7.1 23.48,61.5 24.3,60.68 24.55,60.68 25.05,60.18 25.05,58.93 25.5,58.48 26.77,58.48 26.93,58.64 IC2.32
I2C1_SCL: length 21.1
  Top w0.25: IC2.165 36.2,78.26 v1(36.54,78.6) 36.54,84.09 38.19,85.74 38.19,89.19 BMI088.8
  Bottom w0.25: R9.2 34.23,73.46 34.23,76.29 v1(36.54,78.6)
I2C1_SDA: length 5.1
  Top w0.25: v1(35.03,74.62) 35.47,75.06 35.7,75.06 IC2.166
  Bottom w0.25: R8.2 36.56,73.09 v1(35.03,74.62)
I2C2_CS: length 42.6
  Top w0.25: v1(37.79,48.26) 37.7,48.35 IC2.59
  In3.Cu w0.25: J7.13 40.55,10.69 40.18,10.69 39.37,11.5 39.37,46.67 v1(37.79,48.26)
I2C2_SCL: length 52.1
  Top w0.25: IC2.19 29.88,65.14 v1(30.29,64.73)
  In6.Cu w0.25: J7.3 40.55,23.39 39.74,23.39 39.37,23.75 39.37,36.9 38.8,37.48 38.8,56.35 30.41,64.73 v1(30.29,64.73)
  Bottom w0.25: v1(30.29,64.73) 30.69,64.73 R10.2
I2C2_SDA: length 56.4
  Top w0.25: IC2.18 27.54,65.64 v1(27.37,65.48)
  In6.Cu w0.25: J7.4 38.01,23.39 37.64,23.39 36.83,24.2 36.83,26.01 37.03,26.2 37.03,52.51 35.73,53.81 35.73,58.77 30.57,63.93 28.93,63.93 v1(27.37,65.48)
  Bottom w0.25: v1(27.37,65.48) 29.05,63.8 32.34,63.8 R11.2
INT_ACC: length 19.9
  Top w0.25: v1(34.64,89.29) 34.46,89.29 34.36,89.19 BMI088.16 ; v1(36.7,74.47) IC2.164
  In3.Cu w0.25: v1(36.7,74.47) 38.11,75.88 38.11,82.06 37.43,82.74 36.56,82.74 34.64,84.66 v1(34.64,89.29)
LED1: length 8.2
  Top w0.25: R17.1 59.07,47.89 57.65,49.3 56.78,49.3 55.23,50.85 55.23,52.64 IC2.89
LED2: length 23
  Top w0.25: IC2.90 53.12,53.14 53.12,50.45 58.11,45.47 62.05,45.47 62.41,45.82 62.41,50.24 62.07,50.58 59.51,50.58 R18.1
LED3: length 5.7
  Top w0.25: IC2.91 55.6,53.64 55.89,53.93 58.3,53.93 R19.1
LED4: length 5.9
  Top w0.25: R20.1 58.3,54.39 55.98,54.39 55.23,55.14 IC2.94
NRST: length 77.2
  Top w0.25: v1(27,57.65) 27.49,58.14 IC2.33 ; SWD1.3 4.18,77.3 C23.1 2.67,73.67 R14.1 R14.2 6.25,72.09 NRST2.1 v1(8.05,70.7)
  In6.Cu w0.25: v1(27,57.65) 18.83,65.81 18.83,69.55 ; v1(8.05,70.7) 9.19,69.55 18.83,69.55 ; NRST1.2 35.09,87.13 35.09,85.82 18.83,69.55
SERVO1: length 45.8
  Top w0.25: S1.1 61.49,33.59 61.49,34.17 59.27,36.39 M1.1 ; IC2.43 27.67,53.14 27.67,53.27 v1(27.38,53.57)
  3v3 w0.25: M1.1 56.91,36.39 56.91,36.76 56.1,37.57 51.63,37.57 48.82,40.37 42.35,40.37 34.98,47.74 34.98,48.06 29.46,53.57 v1(27.38,53.57)
SERVO2: length 46
  Top w0.25: S2.1 60.42,30.59 59.27,31.74 M2.1 ; IC2.122 53.12,69.14 53.11,69.13 v1(52.83,69.13)
  In5.Cu w0.25: M2.1 58.09,32.92 56.91,34.09 56.91,59.29 55.57,60.63 55.38,60.63 53.52,62.49 53.52,68.45 v1(52.83,69.13)
SERVO3: length 36.6
  Top w0.25: IC2.95 55.23,55.64 55.51,55.92 v1(55.51,56.19) ; M3.1 59.27,27.09 59.77,27.59 S3.1
  In6.Cu w0.25: M3.1 58.09,28.27 56.91,29.44 56.91,54.78 v1(55.51,56.19)
SERVO4: length 45.9
  Top w0.25: v1(55.51,59.63) 55.23,59.63 55.23,59.64 IC2.103 ; M4.1 59.27,22.44 61.42,24.59 S4.1
  In6.Cu w0.25: M4.1 58.09,23.62 59.27,24.79 59.27,54.06 57.14,56.19 57.14,58 v1(55.51,59.63)
SERVO5: length 72.2
  Top w0.25: M5.1 59.27,17.79 61.99,20.51 62.56,20.51 S5.1 ; IC2.26 30.19,61.64 30.63,62.08 31.61,62.08 37.54,56.14 v1(37.54,53.08)
  3v3 w0.25: v1(37.54,53.08) 37.9,53.44 47.37,53.44 59.27,41.55 59.27,20.14 58.09,18.97 M5.1
SPI1_CS: length 13.4
  Top w0.25: IC2.53 34.7,51.72 33.51,52.9 v1(32.37,52.9) ; BMP390.6 31.3,45.13 32.9,46.72 v1(32.9,46.97)
  In3.Cu w0.25: v1(32.37,52.9) 31.96,52.49 31.96,47.82 32.81,46.97 v1(32.9,46.97)
SPI1_INT: length 10.4
  Top w0.25: v1(32.68,48.13) 31.48,46.92 31.48,46.27 BMP390.7 ; v1(29.78,50.68) 29.78,51.08 30.41,51.72 31.2,51.72 IC2.46
  In5.Cu w0.25: v1(29.78,50.68) 32.33,48.13 v1(32.68,48.13)
SPI1_MISO: length 8
  Top w0.25: IC2.51 33.7,46.73 31.56,44.59 BMP390.5
SPI1_MOSI: length 12.7
  Top w0.25: BMP390.4 30.05,44.12 31.65,42.53 33.03,42.53 34.2,43.7 IC2.52
SPI1_SCK: length 11.3
  Top w0.25: v1(27.15,44.89) 27.39,45.13 BMP390.2 ; v1(32.68,49.3) 32.99,49.61 33.2,49.61 IC2.50
  3v3 w0.25: v1(32.68,49.3) 31.56,49.3 v1(27.15,44.89)
SPI2_!CS: length 15.7
  Top w0.25: v1(42.32,41.47) 41.62,41.47 W25Flash1.1 ; IC2.79 47.7,51.98 v1(47.75,52.03)
  3v3 w0.25: v1(42.32,41.47) 44.03,43.17 44.03,48.31 v1(47.75,52.03)
SPI2_MISO: length 18.8
  Top w0.25: W25Flash1.2 40.24,40.44 40.24,41.16 42.67,43.6 47.24,43.6 49.35,45.71 49.35,46.69 51.7,49.04 IC2.87
SPI2_MOSI: length 17.6
  Top w0.25: IC2.88 52.2,49.61 52.76,49.05 52.76,44.75 52.17,44.16 52.17,42.28 52.49,41.97 52.63,41.97 52.98,41.61 52.98,38.88 51.19,37.09 W25Flash1.5
SPI2_SCK: length 13.6
  Top w0.25: v1(47.14,47.42) 47.2,47.48 IC2.78 ; v1(47.77,38.5) 47.9,38.36 W25Flash1.6
  In6.Cu w0.25: v1(47.14,47.42) 47.77,46.79 v1(47.77,38.5)
SPI3_CS: length 70.7
  Top w0.25: v1(47.66,65.99) 49.43,67.76 49.43,74.78 49.2,75.01 IC2.139 ; v1(18.05,20.71) RFM95W1.5
  In5.Cu w0.25: v1(47.66,65.99) 43.95,62.28 43.95,50.4 43.5,49.95 43.5,49.31 42.43,48.25 42.26,48.25 18.05,24.04 v1(18.05,20.71)
SPI3_INT: length 90.9
  Top w0.25: IC2.143 47.2,77.17 45.65,77.17 43.36,79.45 v1(43.09,79.45) ; RFM95W1.14 21.85,3.76 v1(21.85,7.43)
  In3.Cu w0.25: v1(43.09,79.45) 42.21,78.57 42.21,64.35 31.47,53.61 31.47,46.1 29.02,43.65 29.02,36.83 23.71,31.52 23.71,9.28 v1(21.85,7.43)
SPI3_MISO: length 67.5
  Top w0.25: IC2.141 48.2,75.06 v1(46.89,73.75) ; v1(25.61,21.12) 24.05,19.56 RFM95W1.2
  In3.Cu w0.25: v1(25.61,21.12) 31.48,26.99 31.48,44.51 33.64,46.67 33.64,53 46.89,66.25 v1(46.89,73.75)
